# KiCad board AmigaPCI Mainboard.kicad_pcb (continued)
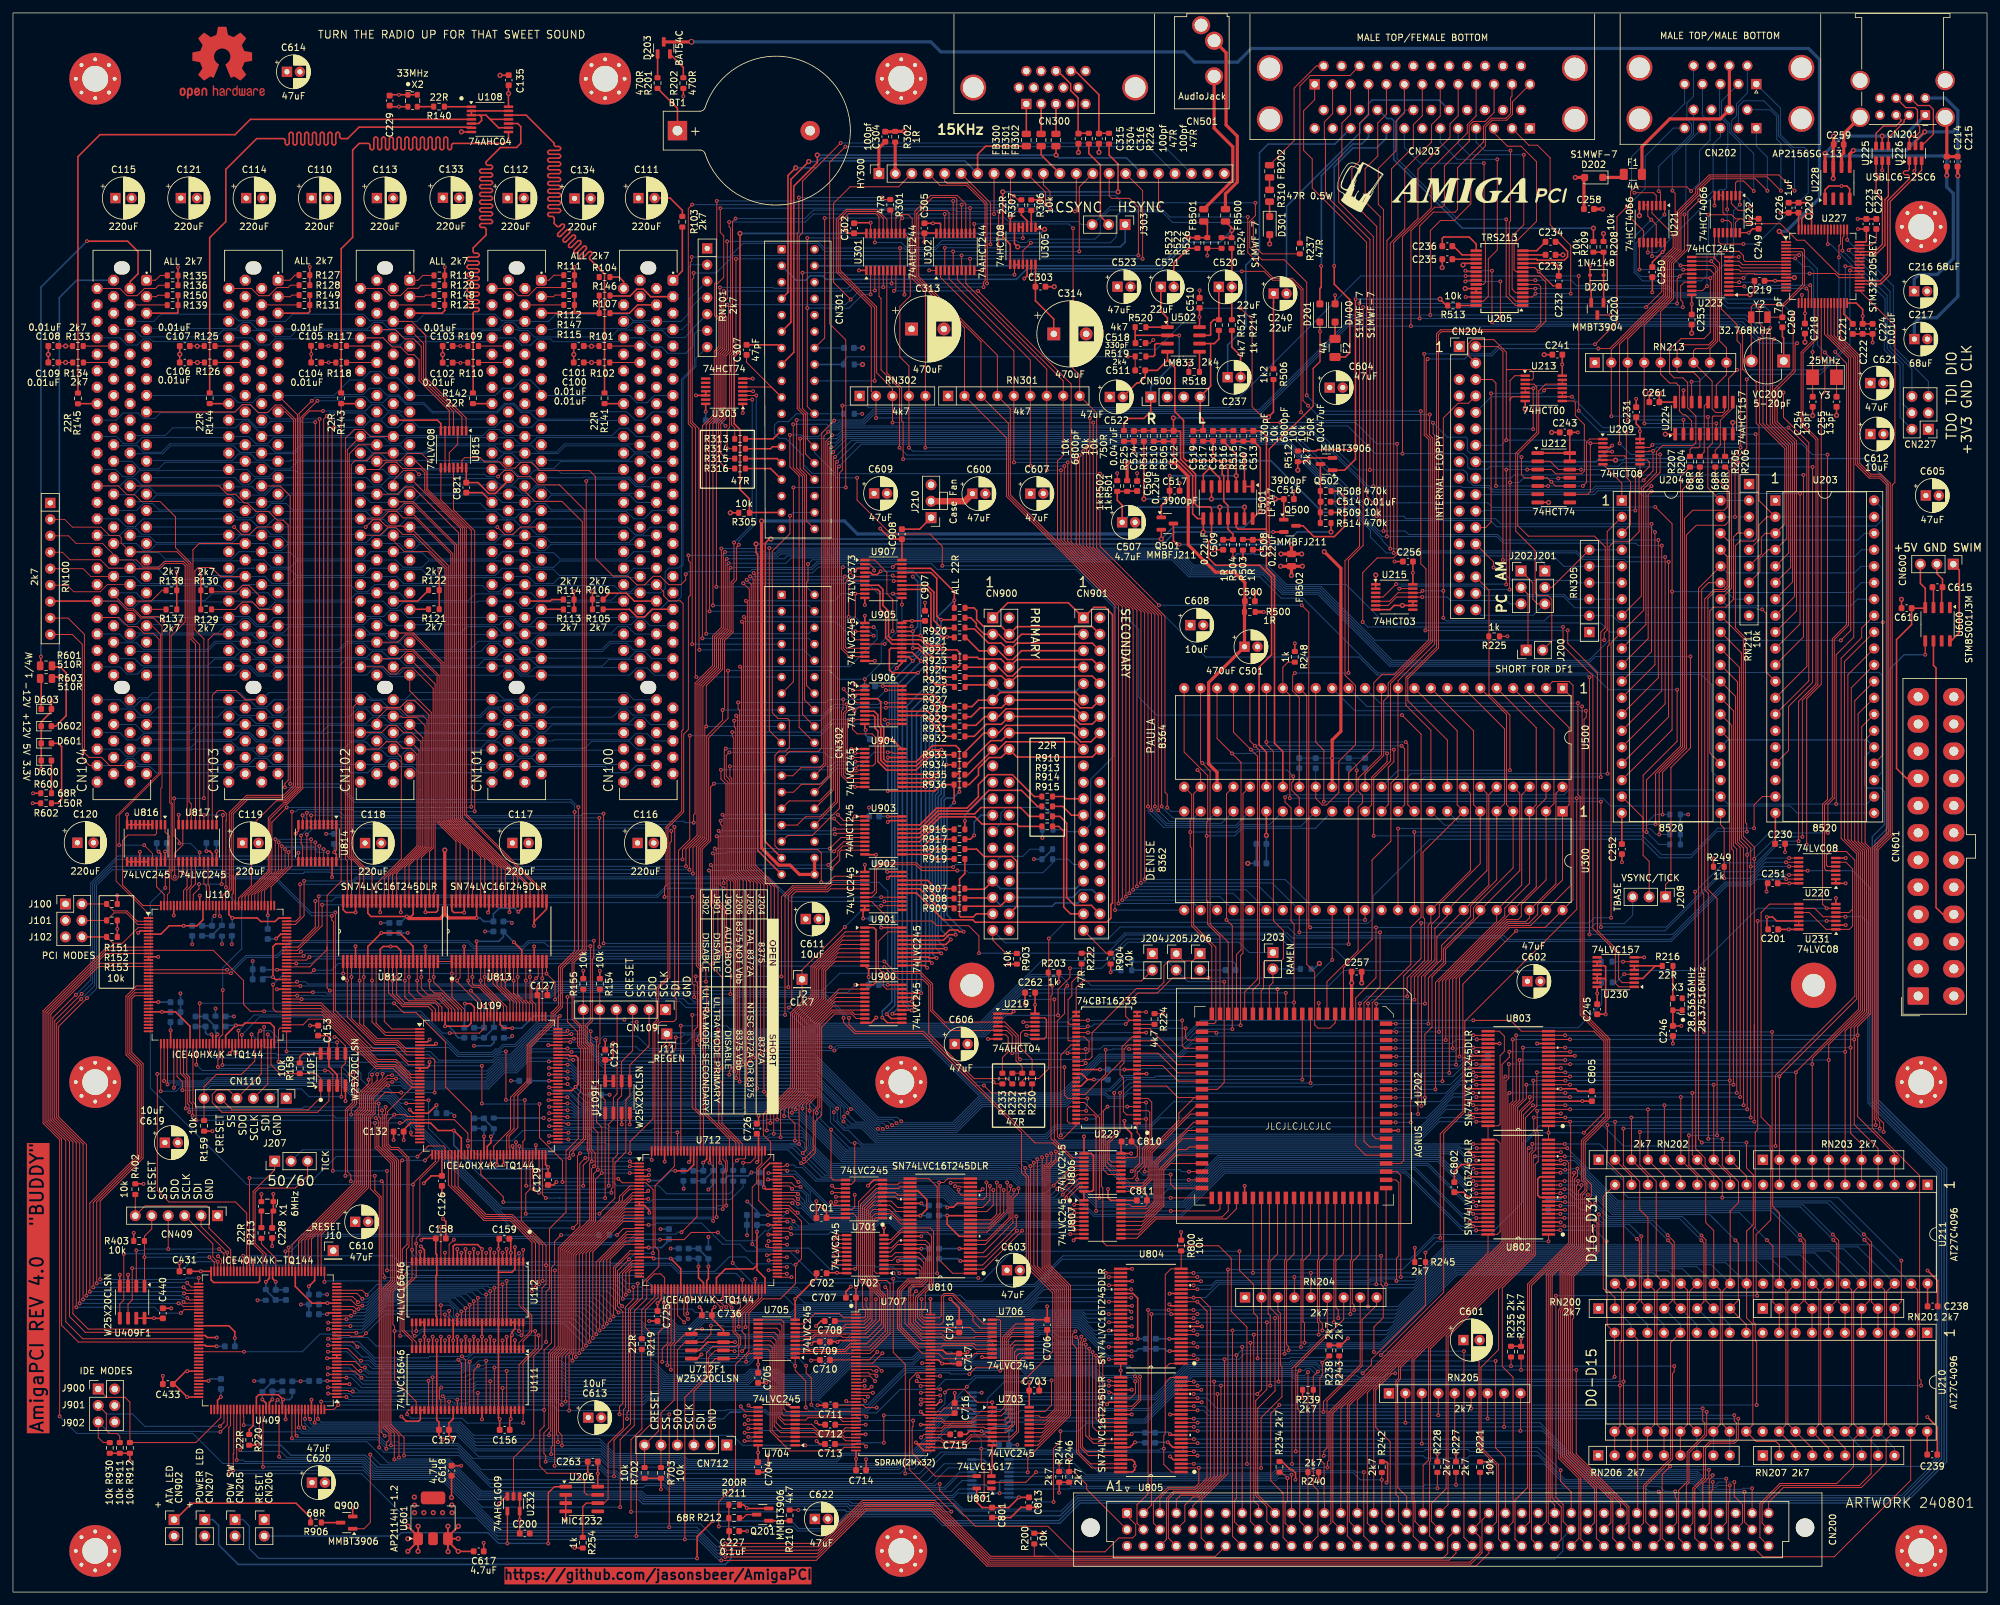
[diagram p0: board, top side]
## Nets (continued)
+AUD: C500.1 C501.1 R500.2 R501.1 U500.27
+AV: C508.1 C510.1 C523.1 Q502.2 R503.2 R512.1 U501.4 U502.8
+VID: C302.1 C303.1 C305.1 C313.1 C314.1 HY300.2 HY300.21 R302.1 RN301.1 RN302.1 U301.20 U302.20 U305.14
-AV: C509.2 C511.2 C522.2 R504.1 R509.2 U501.11 U502.4
/Agnus Multiadapter/7MHz: R222.2 U229.32 U229.36
/Agnus Multiadapter/7MHz_CDAC: U202.37 U229.24
/Agnus Multiadapter/_ARAMEN: J203.2 RJ203.2 U202.25
/Agnus Multiadapter/A20_XCLK: U202.35 U229.34
/Agnus Multiadapter/CASL_UDS: U202.53 U229.1
/Agnus Multiadapter/CASU_CASL: U202.54 U229.51
/Agnus Multiadapter/CCK_CCKQ: U202.39 U229.18
/Agnus Multiadapter/CCKQ_7MHz: U202.38 U229.21
/Agnus Multiadapter/CDAC_XCLKEN: U202.36 U229.31
/Agnus Multiadapter/DRA8: U229.19 U229.49
/Agnus Multiadapter/DRA9: U229.3 U229.20
/Agnus Multiadapter/DRA9_CASU: U202.55 U229.54
/Agnus Multiadapter/LDS_DRA8: U202.51 U229.7
/Agnus Multiadapter/UDS_LDS: U202.52 U229.4
/Agnus Multiadapter/VBB_CCK: U202.40 U229.15
/Audio/AUDLEFT: C513.2 R507.2 U500.31 U501.12
/Audio/AUDRIGHT: C512.2 R505.2 R506.2 U500.30 U501.9
/Chip Memory/LDB0: U704.9 U705.11 U707.31
/Chip Memory/LDB1: U704.8 U705.12 U707.33
/Chip Memory/LDB2: U704.7 U705.13 U707.34
/Chip Memory/LDB3: U704.6 U705.14 U707.36
/Chip Memory/LDB4: U704.5 U705.15 U707.37
/Chip Memory/LDB5: U704.4 U705.16 U707.39
/Chip Memory/LDB6: U704.3 U705.17 U707.40
/Chip Memory/LDB7: U704.2 U705.18 U707.42
/Chip Memory/LDB8: U703.2 U706.18 U707.56
/Chip Memory/LDB9: U703.3 U706.17 U707.54
/Chip Memory/LDB10: U703.4 U706.16 U707.53
/Chip Memory/LDB11: U703.5 U706.15 U707.51
/Chip Memory/LDB12: U703.6 U706.14 U707.50
/Chip Memory/LDB13: U703.7 U706.13 U707.48
/Chip Memory/LDB14: U703.8 U706.12 U707.47
/Chip Memory/LDB15: U703.9 U706.11 U707.45
/Chip RAM Controller/U712_CRESET: CN712.6 R702.2 U712.66
/Chip RAM Controller/U712_SCK: CN712.3 U712.70 U712F1.6
/Chip RAM Controller/U712_SDI: CN712.2 U712.67 U712F1.5
/Chip RAM Controller/U712_SDO: CN712.4 U712.68 U712F1.2
/Chip RAM Controller/U712_SS: CN712.5 R703.2 U712.71 U712F1.1
/Clocks and PCI Buffers/CLK33: R140.1 U108.1
/Floppy and Parallel/_CHNG: J201.2 RN305.6 U204.4
/Floppy and Parallel/_DCHNG: CN204.2 J201.1
/Floppy and Parallel/_DF1: J200.2 U213.3
/Floppy and Parallel/_DKWDB: CN204.22 U209.8
/Floppy and Parallel/_DKWEB: CN204.24 U213.11
/Floppy and Parallel/_DRDY: CN204.34 J201.3 J202.1
/Floppy and Parallel/_INUSE0: CN204.6 U209.1 U212.5
/Floppy and Parallel/_INUSE1: CN204.4 CN204.14 U209.2 U212.9 U213.2
/Floppy and Parallel/_IORST: R237.1 U305.11
/Floppy and Parallel/_MOTOR: CN204.16 U209.3
/Floppy and Parallel/_PCRDY: J202.3 U215.6 U215.11
/Floppy and Parallel/_RDY: J200.1 J202.2 RN305.3 U204.7
/Floppy and Parallel/_TRK0: CN204.26 RN305.4 U204.6
/Floppy and Parallel/_WPROT: CN204.28 RN305.5 U204.5
/Floppy and Parallel/INIT: CN203.16 R237.2
/Floppy and Parallel/LINEFEED: CN203.14 FB202.2
/Floppy and Parallel/SEL0: U212.3 U213.8 U215.4
/Floppy and Parallel/SEL1: U212.11 U213.1 U213.6 U215.13
/Floppy and Parallel/TICK: J207.2 J208.1
/HID and User Ports/_Back: U223.8 U227.9
/HID and User Ports/_Back0: RN213.8 U222.4 U223.12 U224.14
/HID and User Ports/_Fire: U223.4 U227.21
/HID and User Ports/_Forward: U223.9 U227.8
/HID and User Ports/_Forward0: RN213.9 U222.8 U223.11 U224.11
/HID and User Ports/_HIDEN: U221.5 U221.6 U221.12 U221.13 U222.5 U222.6 U222.13 U223.19 U227.38
/HID and User Ports/_Left: U223.7 U227.10
/HID and User Ports/_Left0: RN213.7 U221.11 U223.13 U224.10
/HID and User Ports/_Right: U223.6 U227.11
/HID and User Ports/_Right0: RN213.6 U221.8 U223.14 U224.13
/HID and User Ports/B0: CN202.2 U222.3
/HID and User Ports/B1: CN202.11 RN213.2 U224.5
/HID and User Ports/DIO: CN227.6 U227.46
/HID and User Ports/F1: CN202.10 RN213.3 U224.2
/HID and User Ports/FIR0: CN202.6 U222.2
/HID and User Ports/FOR0: CN202.1 U222.9
/HID and User Ports/HSCLKIN: C255.1 U227.5 Y3.1
/HID and User Ports/HSCLKOUT: C254.1 U227.6 Y3.2
/HID and User Ports/L0: CN202.3 U221.10
/HID and User Ports/L1: CN202.12 RN213.5 U224.3
/HID and User Ports/LSCLKIN: C260.1 U227.3 Y2.1
/HID and User Ports/LSCLKOUT: U227.4 VC200.2 Y2.2
/HID and User Ports/MH0: R204.1 U224.12
/HID and User Ports/MH1: R206.1 U224.7
/HID and User Ports/MV0: R205.1 U224.9
/HID and User Ports/MV1: R207.1 U224.4
/HID and User Ports/PotX: U223.3 U227.20
/HID and User Ports/PotY: U223.5 U227.37
/HID and User Ports/PX0: CN202.5 U221.3
/HID and User Ports/PY0: CN202.9 U221.2
/HID and User Ports/R0: CN202.4 U221.9
/HID and User Ports/R1: CN202.13 RN213.4 U224.6
/HID and User Ports/SWCLK: CN227.5 U227.49
/HID and User Ports/TDI: CN227.4 U227.50
/HID and User Ports/TDO: CN227.2 U227.55
/HID and User Ports/USB1+: U225.1 U227.45
/HID and User Ports/USB1-: U225.3 U227.44
/HID and User Ports/USB1A+: CN201.3 U225.6
/HID and User Ports/USB1A-: CN201.2 U225.4
/HID and User Ports/USB2+: U226.1 U227.36
/HID and User Ports/USB2-: U226.3 U227.35
/HID and User Ports/USB2A+: CN201.7 U226.6
/HID and User Ports/USB2A-: CN201.6 U226.4
/IDE Interface/_ACTA: CN900.39 R903.1 U220.13
/IDE Interface/_ACTB: CN901.39 R904.1 U220.12
/IDE Interface/_ACTIVITY: Q900.1 U220.11
/IDE Interface/_CS0P: CN900.37 R919.2
/IDE Interface/_CS0S: CN901.37 R915.2
/IDE Interface/_CS1P: CN900.38 R918.2
/IDE Interface/_CS1S: CN901.38 R914.2
/IDE Interface/_DIORP: CN900.25 R917.2
/IDE Interface/_DIORS: CN901.25 R913.2
/IDE Interface/_DIOWP: CN900.23 R916.2
/IDE Interface/_DIOWS: CN901.23 R910.2
/IDE Interface/_RSTIDE: CN900.1 CN901.1 U902.15
/IDE Interface/DA0A: R908.1 U902.17
/IDE Interface/DA0B: CN900.35 CN901.35 R908.2
/IDE Interface/DA1A: R907.1 U902.18
/IDE Interface/DA1B: CN900.33 CN901.33 R907.2
/IDE Interface/DA2A: R909.1 U902.16
/IDE Interface/DA2B: CN900.36 CN901.36 R909.2
/IDE Interface/DD0A: CN900.17 CN901.17 R935.2
/IDE Interface/DD1A: CN900.15 CN901.15 R933.2
/IDE Interface/DD2A: CN900.13 CN901.13 R931.2
/IDE Interface/DD3A: CN900.11 CN901.11 R928.2
/IDE Interface/DD4A: CN900.9 CN901.9 R927.2
/IDE Interface/DD5A: CN900.7 CN901.7 R925.2
/IDE Interface/DD6A: CN900.5 CN901.5 R923.2
/IDE Interface/DD7A: CN900.3 CN901.3 R921.2
/IDE Interface/DD8A: CN900.4 CN901.4 R920.2
/IDE Interface/DD9A: CN900.6 CN901.6 R922.2
/IDE Interface/DD10A: CN900.8 CN901.8 R924.2
/IDE Interface/DD11A: CN900.10 CN901.10 R926.2
/IDE Interface/DD12A: CN900.12 CN901.12 R929.2
/IDE Interface/DD13A: CN900.14 CN901.14 R932.2
/IDE Interface/DD14A: CN900.16 CN901.16 R934.2
/IDE Interface/DD15A: CN900.18 CN901.18 R936.2
/IDE Interface/IDED0: R920.1 U900.11 U905.11 U907.18
/IDE Interface/IDED1: R922.1 U900.13 U905.13 U907.14
/IDE Interface/IDED2: R924.1 U900.15 U905.15 U907.8
/IDE Interface/IDED3: R926.1 U900.17 U905.17 U907.4
/IDE Interface/IDED4: R929.1 U901.12 U904.12 U906.17
/IDE Interface/IDED5: R932.1 U901.14 U904.14 U906.13
/IDE Interface/IDED6: R934.1 U901.16 U904.16 U906.7
/IDE Interface/IDED7: R936.1 U901.18 U904.18 U906.3
/IDE Interface/IDED8: R935.1 U901.17 U904.17 U906.4
/IDE Interface/IDED9: R933.1 U901.15 U904.15 U906.8
/IDE Interface/IDED10: R931.1 U901.13 U904.13 U906.14
/IDE Interface/IDED11: R928.1 U901.11 U904.11 U906.18
/IDE Interface/IDED12: R927.1 U900.18 U905.18 U907.3
/IDE Interface/IDED13: R925.1 U900.16 U905.16 U907.7
/IDE Interface/IDED14: R923.1 U900.14 U905.14 U907.13
/IDE Interface/IDED15: R921.1 U900.12 U905.12 U907.17
/IDE Interface/INTRQP: CN900.31 R901.1 U902.6
/IDE Interface/INTRQS: CN901.31 R902.1 U902.7
/IDE Interface/IRDY: CN900.27 CN901.27 R900.2 U815.12 U815.13
/Master Control/AUTOBOOT: J901.1 R912.1 U409.112
/Master Control/U409_CRESET: CN409.6 R402.2 U409.66
/Master Control/U409_SCK: CN409.3 U409.70 U409F1.6
/Master Control/U409_SDI: CN409.2 U409.67 U409F1.5
/Master Control/U409_SDO: CN409.4 U409.68 U409F1.2
/Master Control/U409_SS: CN409.5 R403.2 U409.71 U409F1.1
/Master Control/ULTRA_P: J901.3 R911.1 U409.113
/Master Control/ULTRA_S: J901.5 R930.1 U409.114
/PCI Bridge/J100: JPCI1.2 R151.2 U110.2
/PCI Bridge/J101: JPCI1.4 R152.2 U110.3
/PCI Bridge/J102: JPCI1.6 R153.2 U110.4
/PCI Bridge/U109_CRESET: CN109.6 R155.2 U109.66
/PCI Bridge/U109_SCK: CN109.3 U109.70 U109F1.6
/PCI Bridge/U109_SDI: CN109.2 U109.67 U109F1.5
/PCI Bridge/U109_SDO: CN109.4 U109.68 U109F1.2
/PCI Bridge/U109_SS: CN109.5 R154.2 U109.71 U109F1.1
/PCI Bridge/U409_CRESET: CN110.6 R159.2 U110.66
/PCI Bridge/U409_SCK: CN110.3 U110.70 U110F1.6
/PCI Bridge/U409_SDI: CN110.2 U110.67 U110F1.5
/PCI Bridge/U409_SDO: CN110.4 U110.68 U110F1.2
/PCI Bridge/U409_SS: CN110.5 R158.2 U110.71 U110F1.1
/PCI Bus/_ACK64: CN100.B60 CN101.B60 CN102.B60 CN103.B60 CN104.B60 RN100.9
/PCI Bus/_DEVSEL: CN100.B37 CN101.B37 CN102.B37 CN103.B37 CN104.B37 RN100.5 U817.16
/PCI Bus/_FRAME: CN100.A34 CN101.A34 CN102.A34 CN103.A34 CN104.A34 RN100.2 U817.7
/PCI Bus/_INTA: CN100.A6 CN101.A6 CN102.A6 CN103.A6 CN104.A6 RN101.2 U815.1
/PCI Bus/_INTB: CN100.B7 CN101.B7 CN102.B7 CN103.B7 CN104.B7 RN101.4 U815.4
/PCI Bus/_INTC: CN100.A7 CN101.A7 CN102.A7 CN103.A7 CN104.A7 RN101.3 U815.2
/PCI Bus/_INTD: CN100.B8 CN101.B8 CN102.B8 CN103.B8 CN104.B8 RN101.5 U815.5
/PCI Bus/_IRDY: CN100.B35 CN101.B35 CN102.B35 CN103.B35 CN104.B35 RN100.3 U817.8
/PCI Bus/_PERR: CN100.B40 CN101.B40 CN102.B40 CN103.B40 CN104.B40 RN100.7 U816.2
/PCI Bus/_REQ64: CN100.A60 CN101.A60 CN102.A60 CN103.A60 CN104.A60 RN100.8
/PCI Bus/_TRDY: CN100.A36 CN101.A36 CN102.A36 CN103.A36 CN104.A36 RN100.4 U817.11
/PCI Bus/PAR: CN100.A43 CN101.A43 CN102.A43 CN103.A43 CN104.A43 U816.17
/PCI Bus/SMBCLK0: CN100.A40 R106.2
/PCI Bus/SMBCLK1: CN101.A40 R114.2
/PCI Bus/SMBCLK2: CN102.A40 R122.2
/PCI Bus/SMBCLK3: CN103.A40 R130.2
/PCI Bus/SMBCLK4: CN104.A40 R138.2
/PCI Bus/SMBDAT0: CN100.A41 R105.2
/PCI Bus/SMBDAT1: CN101.A41 R113.2
/PCI Bus/SMBDAT2: CN102.A41 R121.2
/PCI Bus/SMBDAT3: CN103.A41 R129.2
/PCI Bus/SMBDAT4: CN104.A41 R137.2
/PCI Bus/TDI0: CN100.A4 R107.2
/PCI Bus/TDI1: CN101.A4 R115.2
/PCI Bus/TDI2: CN102.A4 R123.2
/PCI Bus/TDI3: CN103.A4 R131.2
/PCI Bus/TDI4: CN104.A4 R139.2
/PCI Bus/TMS0: CN100.A3 R146.2
/PCI Bus/TMS1: CN101.A3 R147.2
/PCI Bus/TMS2: CN102.A3 R148.2
/PCI Bus/TMS3: CN103.A3 R149.2
/PCI Bus/TMS4: CN104.A3 R150.2
/Power and Spares/_BTNRST: R254.1 U206.6 U220.5
/Power and Spares/_PS-ON: CN601.16 U600.6
/Power and Spares/PWRSW: CN205.1 U600.5
/Power and Spares/SWIM: CN600.1 U600.8
/Serial/_RxD-IN: CN203.28 U205.9
/Serial/_TxD-OUT: CN203.27 U205.3
/Serial/AUDIOOUT: C237.1 CN203.36
/Serial/CD: U203.7 U205.22
/Serial/CD-IN: CN203.33 U205.23
/Serial/CTS: U203.6 U205.5
/Serial/CTS-IN: CN203.30 U205.4
/Serial/DSR: U203.5 U205.26
/Serial/DSR-IN: CN203.31 U205.27
/Serial/DTR: U203.9 U205.20
/Serial/DTR-OUT: CN203.45 U205.1
/Serial/PWRLED: R210.1 U209.6
/Serial/RI: CN203.47 R209.1
/Serial/RTS: U203.8 U205.7
/Serial/RTS-OUT: CN203.29 U205.2
/Serial/SERAUD: C240.2 CN203.43
/Video/_COMPSYNC: C312.1 CN301.14 HY300.18 J303.3 U301.12
/Video/B0: HY300.16 R313.2 U302.9
/Video/B1: CN302.10 HY300.15 U302.7
/Video/B2: CN302.11 HY300.14 U302.5
/Video/B3: HY300.13 R314.2 U302.3
/Video/BLU0: RN301.9 U300.24 U302.11
/Video/BLU1: RN301.2 U300.25 U302.13
/Video/BLU2: RN301.3 U300.26 U302.15
/Video/BLU3: RN301.4 U300.27 U302.17
/Video/BLUE: CN301.15 FB302.2 HY300.17
/Video/BUR: U300.18 U301.4
/Video/BURST: CN301.18 U301.16
/Video/C4: C307.1 CN301.19 U303.5
/Video/COMPVID: CN302.13 HY300.19
/Video/G0: CN302.6 HY300.11 U302.12
/Video/G1: CN302.7 HY300.10 U302.14
/Video/G2: CN302.8 HY300.9 U302.16
/Video/G3: HY300.8 R315.2 U302.18
/Video/GREEN: CN301.11 FB301.2 HY300.12
/Video/GRN0: RN301.8 U300.28 U302.8
/Video/GRN1: RN301.7 U300.29 U302.6
/Video/GRN2: RN301.6 U300.30 U302.4
/Video/GRN3: RN301.5 U300.31 U302.2
/Video/PIXELSW: CN301.30 R301.1
/Video/PSW: U300.33 U301.6
/Video/R0: CN302.2 HY300.6 U301.9
/Video/R1: CN302.3 HY300.5 U301.7
/Video/R2: CN302.4 HY300.4 U301.5
/Video/R3: HY300.3 R316.2 U301.3
/Video/RED: CN301.7 FB300.2 HY300.7
/Video/RED0: RN302.4 U300.20 U301.11
/Video/RED1: RN302.5 U300.21 U301.13
/Video/RED2: RN302.2 U300.22 U301.15
/Video/RED3: RN302.3 U300.23 U301.17
/Video/SYNC: CN301.28 HY300.20
_AS: U202.24 U712.116
_AWE: U202.21 U806.17
_BB: CN200.b1 R246.2 U809.11
_BEN: U109.128 U110.11 U409.91
_BG: CN200.c22 U109.28 U110.75
_BHS: U203.19 U301.18
_BR: CN200.a11 U801.2
_BREG: U109.41 U409.60
_BRST: U202.16 U203.34 U204.34 U209.11 U212.4 U212.10 U227.7 U305.13 U500.11
_BUFEN: U409.119 U802.25 U802.48 U803.25 U803.48
_BURST: U109.17 U110.80
_BUSGRANT0: CN100.A17 U110.119
_BUSGRANT1: CN101.A17 U110.120
_BUSGRANT2: CN102.A17 U110.118
_BUSGRANT3: CN103.A17 U110.125
_BUSGRANT4: CN104.A17 U110.124
_BUSREQ0: U110.112 U814.18
_BUSREQ1: U110.114 U814.16
_BUSREQ2: U110.113 U814.17
_BUSREQ3: U110.116 U814.14
_BUSREQ4: U110.115 U814.15
_CASL: U229.5 U229.55 U806.15
_CASU: U229.2 U229.6 U806.14
_CBE0: CN100.A52 CN101.A52 CN102.A52 CN103.A52 CN104.A52 U817.2
_CBE1: CN100.B44 CN101.B44 CN102.B44 CN103.B44 CN104.B44 U817.3
_CBE2: CN100.B33 CN101.B33 CN102.B33 CN103.B33 CN104.B33 U817.5
_CBE3: CN100.B26 CN101.B26 CN102.B26 CN103.B26 CN104.B26 U817.6
_CCAS: U707.18 U712.62
_CDAC: U219.11 U229.26 U229.33 U300.34
_CIACS0: U204.23 U409.78
_CIACS1: U203.23 U409.79
_CLLBE: U707.28 U712.45
_CLMBE: U707.59 U712.75
_CONFIGEN: U109.24 U409.61
_CPUCONF: CN200.c7 R200.1 U409.130
_CPURST: CN200.c11 U231.3
_CRAS: U707.19 U712.61
_CRCS: U707.20 U712.60
_CS0A: U110.91 U903.9
_CS0B: U110.84 U903.5
_CS1A: U110.95 U903.8
_CS1B: U110.101 U903.4
_CSYNC: U202.80 U300.32 U301.8
_CUMBE: U707.16 U712.74
_CUTOFF: R513.1 U205.28
_CUUBE: U707.71 U712.85
_CWE: U707.17 U712.73
_DBEN: U705.19 U706.19 U712.42
_DBR: U202.20 U806.18
_DIORA: U110.96 U903.7
_DIORB: U110.99 U903.3
_DIOWA: U110.94 U903.6
_DIOWB: U110.98 U903.2
_DKRD: CN204.30 R225.2 U500.37
_DKWD: U209.9 U209.10 U500.38
_DRDEN: U712.110 U810.25 U810.48
_DSACK0: CN200.a1 U109.34 U110.45 U409.135 U712.137
_DSACK1: CN200.b21 U109.23 U110.74 U409.117 U712.7
_FIR0: U204.8 U222.1 U223.16
_FIR1: CN202.15 CN302.19 U202.78 U204.9
_HSYNC: CN301.22 R300.1 U202.81 U301.2 U305.4 U305.5
_IDEEN: U110.12 U409.90
_IDEHREN: U110.88 U906.1 U907.1
_IDEHWEN: U110.97 U904.19 U905.19
_IDELATCH: U110.85 U906.11 U907.11
_IDELEN: U110.87 U900.19 U901.19
_INDEX: CN204.8 RN305.2 U203.24 U215.5 U215.12
_INT2: U220.8 U500.16
_INT2A: CN200.c6 R249.2 U204.21 U220.9
_INT2B: U110.121 U220.10
_INT3: U202.17 U500.17
_INT6: CN200.b23 R248.2 U203.21 U500.18
_IPL0: CN200.c27 U500.13
_IPL1: CN200.c28 U500.14
_IPL2: CN200.b29 U500.15
_KBCLK: RN211.2 U204.40 U227.40
_KBRST: U220.4 U227.51
_LBEN: CN200.b22 R221.2 U409.125
_LDS: U229.50 U229.53 U712.117
_LED: CN302.31 U204.3 U205.21 U209.5
_LLBE: U110.41 U712.124
_LMBE: U110.39 U712.122
_LOCK: CN200.b11 R234.2 U809.15
_LVAWE: U712.135 U806.3
_LVBB: U110.48 U809.9
_LVBR: U110.56 U801.4
_LVCASL: U712.104 U806.6
_LVCASU: U712.105 U806.5
_LVCBE0: U110.129 U817.18
_LVCBE1: U110.130 U817.17
_LVCBE2: U110.135 U817.15
_LVCBE3: U110.136 U817.14
_LVDBR: U712.138 U806.2
_LVDEVSEL: U110.134 U817.4
_LVFRAME: U110.137 U817.13
_LVIRDY: U109.11 U817.12
_LVLOCK: U110.43 U809.5
_LVPERR: U110.143 U816.18
_LVRAS0: U712.88 U807.8
_LVRAS1: U712.87 U807.9
_LVSTOP: U109.10 U809.6
_LVSYSERR: CN100.B42 CN101.B42 CN102.B42 CN103.B42 CN104.B42 RN101.7 U110.1
_LVTRDY: U109.12 U817.9
_LVTS: U109.29 U110.47 U409.134 U712.136 U809.7
_MC1: R203.1 R231.1 U224.1
_MTR: U203.17 U212.2 U212.12
_PACK: CN203.10 CN302.20 RN211.4 U204.24
_PCICYCLE: U109.19 U110.78 U111.29 U111.56 U112.29 U112.56
_PCIINT: U110.117 U815.8
_PLOCK: CN100.B39 CN101.B39 CN102.B39 CN103.B39 CN104.B39 RN101.6 U110.142
_RAMEN: J203.1 U712.139
_RAMSPACE: U409.48 U712.130
_RAS0: U202.57 U807.11
_RAS1: U202.56 U807.12
_REGEN: J11.1 U202.23 U712.141
_REGSPACE: U409.118 U712.41
_REQ0: CN100.B18 U814.2
_REQ1: CN101.B18 U814.4
_REQ2: CN102.B18 U814.3
_REQ3: CN103.B18 U814.6
_REQ4: CN104.B18 U814.5
_RESETA: CN200.b28 J10.1 U231.8 U409.62 U712.94
_RESETB: U109.49 U110.49 U209.12 U231.6 U902.5
_ROMEN: U210.20 U211.20 U409.124
_RSTBTN: U109.65 U110.65 U232.2 U409.65 U712.65
_RSTOUT: CN200.c34 U231.4 U231.9
_RSTPCI: CN100.A15 CN101.A15 CN102.A15 CN103.A15 CN104.A15 U110.122
_RTCEN: U227.26 U409.80
_RxD: U205.8 U500.41
_SEL0: CN204.10 U203.13 U213.9 U213.10
_SEL1: CN204.12 U203.14 U213.4 U213.5
_SIDE: CN204.32 U203.12
_STEP: CN204.20 U203.10
_STOP: CN100.A38 CN101.A38 CN102.A38 CN103.A38 CN104.A38 RN100.6 U809.14
_TBI: CN200.a23 U409.116 U712.39
_TCI: CN200.c23 U409.115 U712.64
_TEA: CN200.c21 U110.10
_TS: CN200.b17 R242.2 U809.13
_TxD: U205.6 U500.40
_UDS: U229.52 U229.56 U712.118
_UMBE: U110.38 U712.121
_UUBE: U110.37 U712.125
_VBEN: U701.19 U702.19 U703.19 U704.19 U712.44
_VC1: CN301.34 R232.1
_VC3: CN302.17 R233.1 U303.2
_VSYNC: CN301.26 J208.3 U202.79 U305.9 U305.10
_WEA: U409.142 U701.1 U702.1 U703.1 U704.1 U712.144 U808.4 U808.15
_WEB: U109.18 U110.79 U808.5 U812.1 U812.24 U813.1 U813.24
_XCLKEN: CN301.16 R308.1 U230.1
A0: CN200.b3 RN204.3 U805.2
A1: CN200.a4 RN204.2 U202.60 U805.20
A2: CN200.b4 RN206.2 U202.61 U210.21 U211.21 U227.28 U805.22
A3: CN200.c4 RN206.3 U202.62 U210.22 U211.22 U227.29 U805.23
A4: CN200.a5 RN206.4 U202.63 U210.23 U211.23 U227.30 U804.2
A5: CN200.b8 RN206.5 U202.64 U210.24 U211.24 U227.33 U804.3
A6: CN200.a8 RN206.6 U202.65 U210.25 U211.25 U804.5
A7: CN200.b9 RN206.7 U202.66 U210.26 U211.26 U804.6
A8: CN200.a9 RN206.8 U202.67 U203.38 U204.38 U210.27 U211.27 U804.8
A9: CN200.c8 RN206.9 U202.68 U203.37 U204.37 U210.28 U211.28 U804.9
A10: CN200.b10 RN207.2 U202.69 U203.36 U204.36 U210.29 U211.29 U804.11
A11: CN200.a10 RN207.3 U202.70 U203.35 U204.35 U210.31 U211.31 U804.12
A12: CN200.a2 RN207.4 U202.71 U210.32 U211.32 U804.13
A13: CN200.b2 RN207.5 U202.72 U210.33 U211.33 U804.14
A14: CN200.a3 RN207.6 U202.73 U210.34 U211.34 U804.16
A15: CN200.c3 RN207.7 U202.74 U210.35 U211.35 U804.17
A16: CN200.c40 RN207.8 U202.75 U210.36 U211.36 U804.19
A17: CN200.b40 RN207.9 U202.76 U210.37 U211.37 U804.20
A18: CN200.a40 RN204.4 U202.77 U210.38 U211.38 U804.22
A19: CN200.c39 RN204.5 U202.59 U210.39 U211.39 U804.23
A20: CN200.b39 RN204.6 U229.22 U805.3
A21: CN200.c38 RN204.7 U805.6
A22: CN200.a35 RN204.8 U805.17
A23: CN200.a39 RN204.9 U805.5
A24: CN200.a36 RN205.2 U805.13
A25: CN200.b38 RN205.3 U805.8
A26: CN200.b35 RN205.4 U805.16
A27: CN200.c37 RN205.5 U805.9
A28: CN200.c35 RN205.6 U805.19
A29: CN200.c36 RN205.7 U805.14
A30: CN200.b36 RN205.8 U805.12
A31: CN200.b37 RN205.9 U805.11
AD0: CN100.A58 CN101.A58 CN102.A58 CN103.A58 CN104.A58 U812.40
AD1: CN100.B58 CN101.B58 CN102.B58 CN103.B58 CN104.B58 U812.38
AD2: CN100.A57 CN101.A57 CN102.A57 CN103.A57 CN104.A57 U812.37
AD3: CN100.B56 CN101.B56 CN102.B56 CN103.B56 CN104.B56 U812.36
AD4: CN100.A55 CN101.A55 CN102.A55 CN103.A55 CN104.A55 U812.35
AD5: CN100.B55 CN101.B55 CN102.B55 CN103.B55 CN104.B55 U812.32
AD6: CN100.A54 CN101.A54 CN102.A54 CN103.A54 CN104.A54 U812.33
AD7: CN100.B53 CN101.B53 CN102.B53 CN103.B53 CN104.B53 U812.30
AD8: CN100.B52 CN101.B52 CN102.B52 CN103.B52 CN104.B52 U812.41
AD9: CN100.A49 CN101.A49 CN102.A49 CN103.A49 CN104.A49 U812.29
AD10: CN100.B48 CN101.B48 CN102.B48 CN103.B48 CN104.B48 U812.27
AD11: CN100.A47 CN101.A47 CN102.A47 CN103.A47 CN104.A47 U812.26
AD12: CN100.B47 CN101.B47 CN102.B47 CN103.B47 CN104.B47 U813.47
AD13: CN100.A46 CN101.A46 CN102.A46 CN103.A46 CN104.A46 U813.46
AD14: CN100.B45 CN101.B45 CN102.B45 CN103.B45 CN104.B45 U813.44
AD15: CN100.A44 CN101.A44 CN102.A44 CN103.A44 CN104.A44 U813.43
AD16: CN100.A32 CN101.A32 CN102.A32 CN103.A32 CN104.A32 U813.41
AD17: CN100.B32 CN101.B32 CN102.B32 CN103.B32 CN104.B32 U813.40
AD18: CN100.A31 CN101.A31 CN102.A31 CN103.A31 CN104.A31 U813.38
AD19: CN100.B30 CN101.B30 CN102.B30 CN103.B30 CN104.B30 U813.37
AD20: CN100.A29 CN101.A29 CN102.A29 CN103.A29 CN104.A29 U813.36
AD21: CN100.B29 CN101.B29 CN102.B29 CN103.B29 CN104.B29 U813.35
AD22: CN100.A28 CN101.A28 CN102.A28 CN103.A28 CN104.A28 U813.33
AD23: CN100.B27 CN101.B27 CN102.B27 CN103.B27 CN104.B27 U813.32
AD24: CN100.A25 CN101.A25 CN102.A25 CN103.A25 CN104.A25 U813.30
AD25: CN100.B24 CN101.B24 CN102.B24 CN103.B24 CN104.B24 U813.29
AD26: CN100.A23 CN101.A23 CN102.A23 CN103.A23 CN104.A23 U813.27
AD27: CN100.B23 CN101.B23 CN102.B23 CN103.B23 CN104.B23 U813.26
AD28: CN100.A22 CN101.A22 CN102.A22 CN103.A22 CN104.A22 U812.43
AD29: CN100.B21 CN101.B21 CN102.B21 CN103.B21 CN104.B21 U812.44
AD30: CN100.A20 CN101.A20 CN102.A20 CN103.A20 CN104.A20 U812.47
AD31: CN100.B20 CN101.B20 CN102.B20 CN103.B20 CN104.B20 U812.46
ADLATCH: U109.39 U111.2 U111.27 U112.2 U112.27
AgnusCLK: R217.1 U202.34
ALATCH: U109.37 U111.30 U111.55 U112.30 U112.55
AUDIN: C240.1 R506.1
AUDIO: C202.2 C203.2 C204.2 C205.2 C506.2 C507.2 C508.2 C509.1 C510.2 C511.1 C514.2 C516.2 C517.2 C518.1 C519.1 C522.1 C523.2 CN302.34 CN302.36 CN500.2 CN500.3 FB502.1 R502.2 R518.2 R519.2 R523.1 R526.1 U500.34
AUDOUT: C520.2 R214.1 R524.2
BUSDIR: R800.1 U110.55 U804.1 U804.24 U805.1 U805.24 U808.1 U809.1 U817.1
C1: U219.3 U229.38 U229.42 U300.36 U500.28 U814.8
C3: U219.5 U229.35 U229.39 U500.29 U814.7
CBANK0: U707.22 U712.52
CBANK1: U707.23 U712.49
CCLKE: U707.67 U712.84
CLK6: R213.1 U409.52
CLK7: R222.1 U300.35 U902.8
CLK28: R253.1 U409.94
CLK40A: CN200.a28 U712.20
CLK40B: R251.2 U109.52
CLK40C: R218.2 U206.7 U409.129
CLK40D: R252.2 U110.52
CLK80: CN200.a24 U712.119
CLKCIA: R220.2 U203.25 U204.25
CLKPCI0: CN100.B16 R141.1
CLKPCI1: CN101.B16 R142.1
